# Allegro board BeagleBoard-xM.brd (continued)
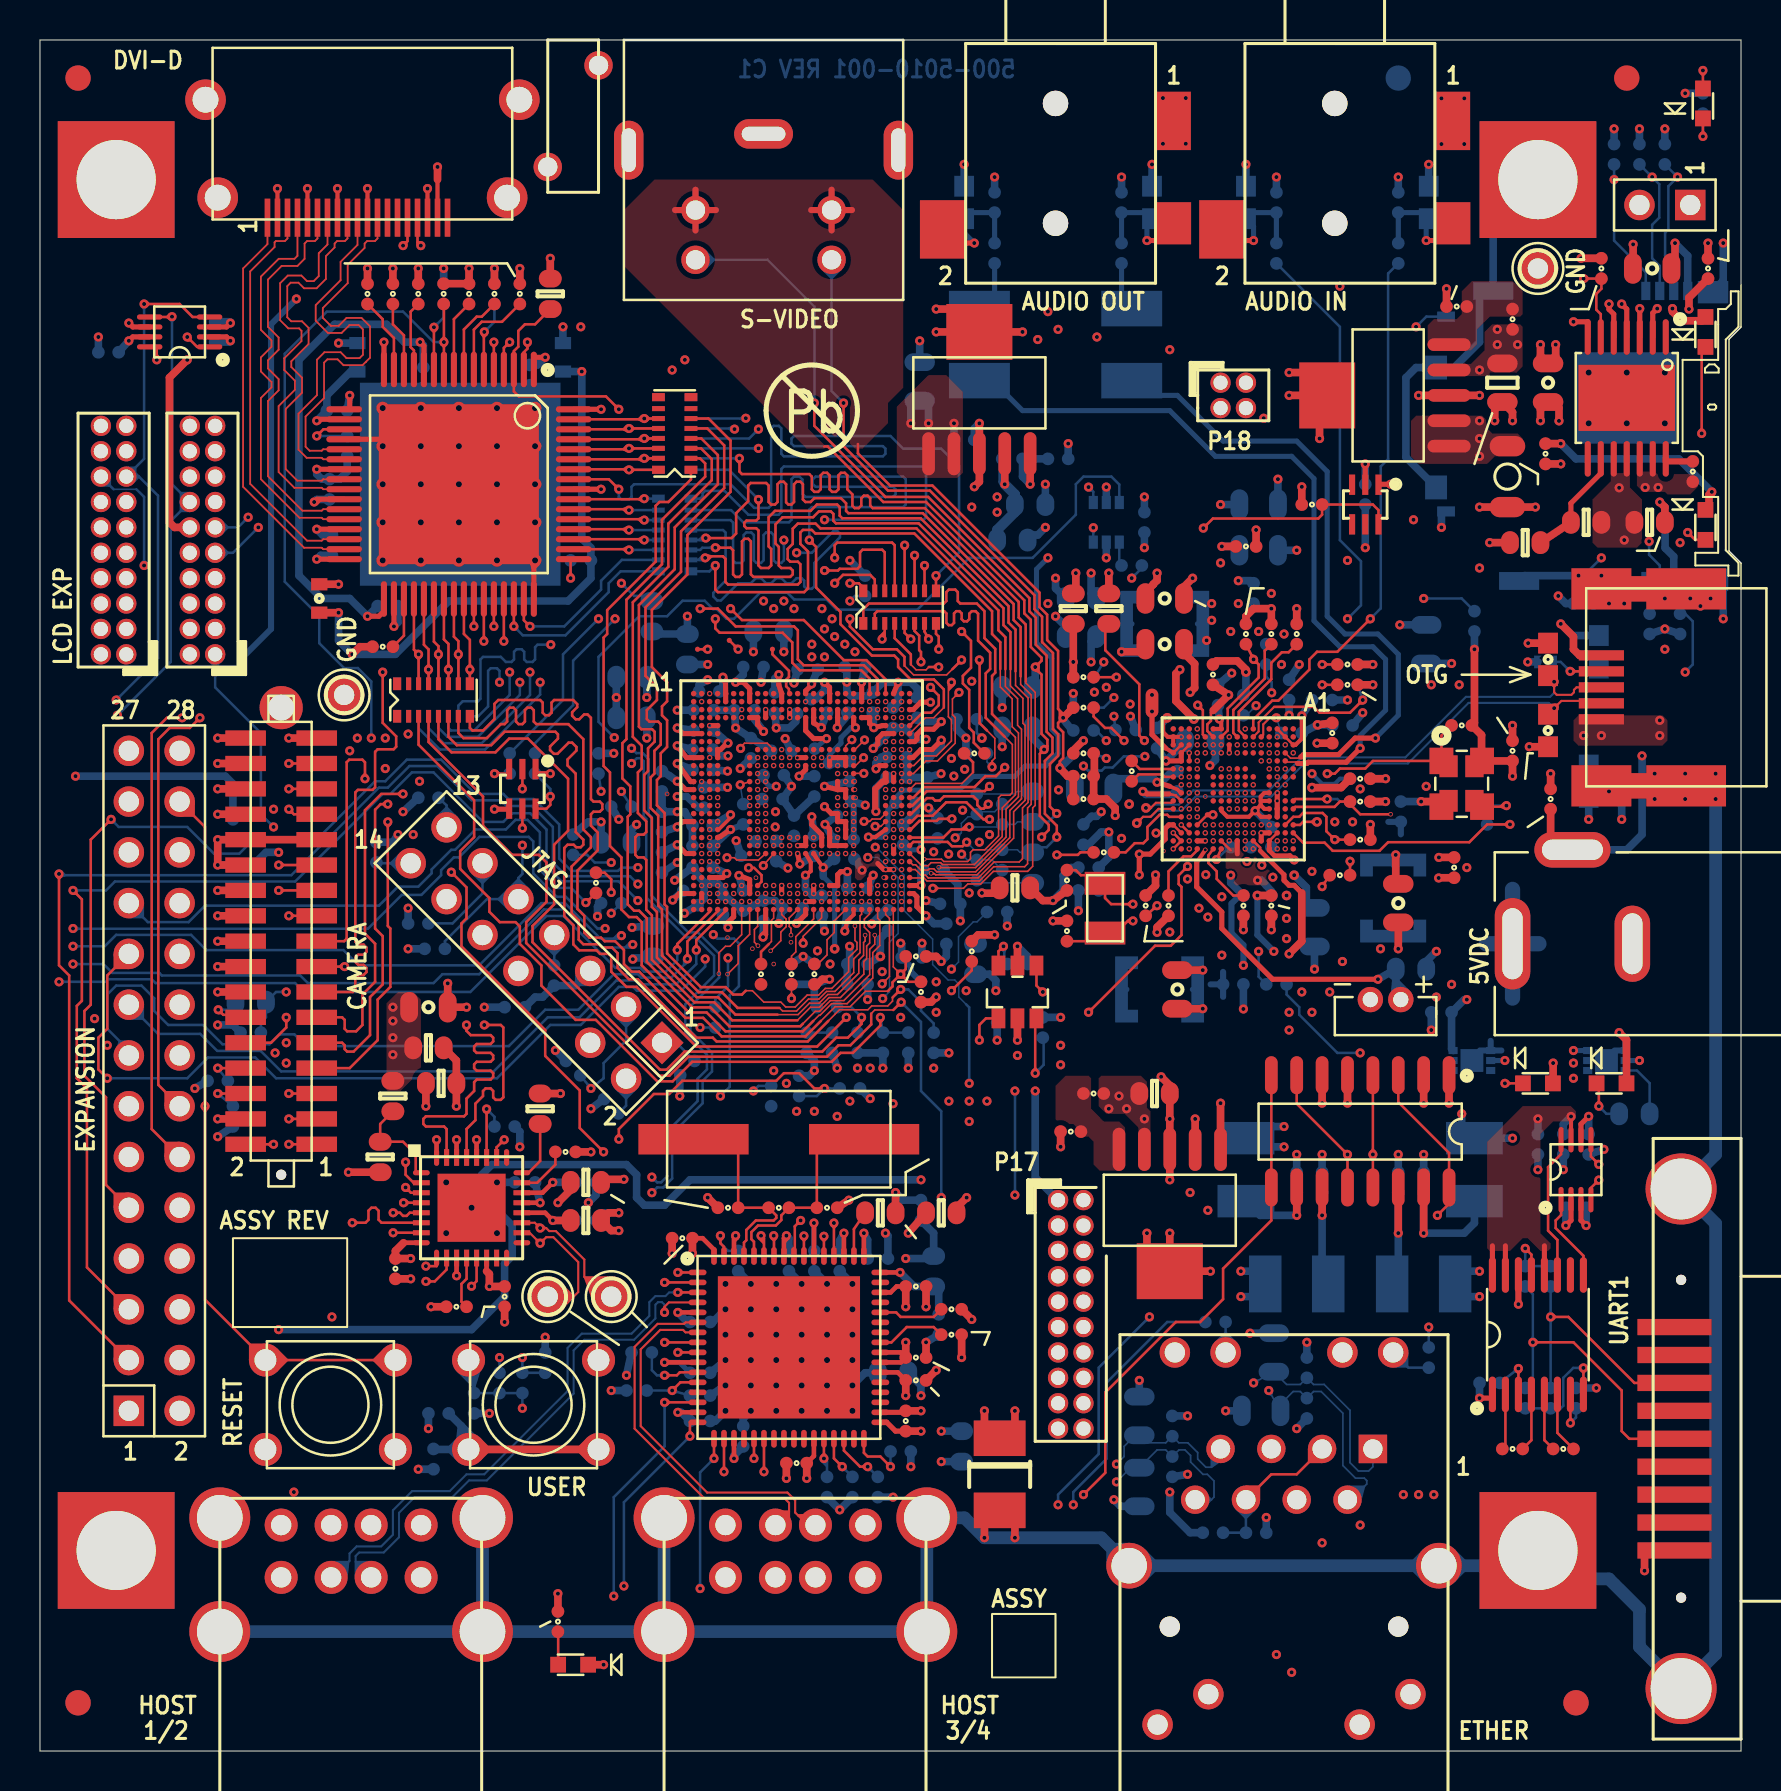
[diagram p0: board, top side]
## Routing (per net, layer and track width the routed paths; a pad name or vN(x,y) marks a point on that pad's centre or on a via; arc(x,y) is an arc through that point) (continued)
NSPDR: length 25
  LYR3-SIG w0.127: v1(61.85,4.83) 61.85,13.84 62.61,14.61 62.61,15.62 62.23,16 62.23,18.8 61.09,19.94 P15.11
  LYR4-SIG w0.127: P15.17 62.51,4.83 v1(61.85,4.83)
  BOTTOM w0.127: R50.2 P15.11
NUSB_PWR: length 125
  TOP w0.254: v1(78.49,72.39) 78.49,72.12 78.72,71.88 U2.5
  TOP w0.381: P2.3 75.56,45.09 R11.2 ; v1(7.37,69.6) 6.48,68.71 6.48,61.47 6.73,61.21 7.49,61.21
  LYR3-SIG w0.381: v1(78.49,72.39) 78.49,72.01 78.87,71.63 79.88,71.63 82.36,69.15 82.36,61.79 81.28,60.71 81.28,59.94 80.64,59.31 80.64,56.64 80.14,56.13 v1(80.14,49.78)
  LYR4-SIG w0.381: v1(78.49,72.39) 78.49,70.28 78.08,69.88 77.19,69.88 75.67,68.35 72.25,68.35 72.24,68.36 62.31,68.36 61.33,69.34 48.9,69.34 46.7,71.54 27.9,71.54 26.8,72.64 14.35,72.64 11.3,69.6 v1(7.37,69.6)
  BOTTOM w0.381: P2.3 79.38,45.09 80.14,45.85 v1(80.14,49.78)
NUSBHOST_PWR_EN: length 21.9
  TOP w0.127: 61.03,45.04 61.03,45.19 U7.F15
  TOP w0.229: 62.23,43.84 61.03,45.04
  TOP w0.254: 62.23,43.84 62.23,43.56 62.48,43.31 62.74,43.31 63.12,42.93
  TOP w0.381: v1(62.48,39.88) 63.12,40.51 63.12,42.93
  LYR4-SIG w0.381: v1(71.37,37.59) 71.37,39.5 69.85,41.02 63.63,41.02 v1(62.48,39.88)
  BOTTOM w0.381: v1(71.37,37.59) 71.25,37.59 R130.2 70.61,35.12 U32.6
OSC_EN: length 10.8
  TOP w0.127: v1(64.39,48.9) 64.77,48.9 65.02,49.15 66.29,49.15 66.67,49.53 Y1.1 70.1,50.8 R55.1
  LYR3-SIG w0.102: 62.4,49.42 62.17,49.42 v2(61.89,49.13)
  LYR3-SIG w0.127: 62.4,49.42 63.87,49.42 v1(64.39,48.9)
PMU_STAT: length 14.4
  TOP w0.127: v1(73.28,33.4) D12.1
  LYR4-SIG w0.127: v1(73.28,33.4) 72.39,34.29 66.67,34.29 v1(66.04,34.92)
  BOTTOM w0.127: R64.1 62.36,37.85 62.99,37.21 62.99,36.83 64.9,34.92 v1(66.04,34.92)
POP_INT0_FT: length 11.5
  LYR3-SIG w0.076: 36.14,36.68 36.14,38.2 35.94,38.4 35.94,39.75 36.14,39.95 36.14,40.17 36.54,40.56 36.54,40.87 36.12,41.29 36.12,41.73 36.7,42.32 v2(36.7,42.5)
  LYR3-SIG w0.127: v1(35.69,33.02) 35.69,33.36 35.52,33.53 35.52,34.65 36.14,35.27 36.14,36.68
  BOTTOM w0.127: v1(35.69,33.02) 35.94,33.27 R46.1
POP_INT1_FT: length 3
  TOP w0.076: U4.AH11 36.7,41.67 36.59,41.55 36.59,40.5 36.46,40.38
  TOP w0.127: R45.1 36.07,39.98 36.46,40.38
POP_TEMP: length 11.4
  TOP w0.076: v1(37.59,37.64) R44.2
  LYR2-GND w0.127: v3(42.3,42.5) 42.3,42.05 42.37,41.99 42.37,40.06 42.47,39.95 42.47,39.33 v1(42.13,38.99)
  LYR4-SIG w0.076: v1(42.13,38.99) 42.61,38.51 42.61,37.53 42.3,37.22 41.14,37.22 40.72,37.64 v1(37.59,37.64)
POP_TQ_TEMP_S: length 3.2
  TOP w0.076: R44.1 37.59,39.76 37.81,39.98 37.81,40.74 38.7,41.63 U4.AH16
PWR_CNTRL: length 41.6
  TOP w0.127: U7.A11 62.79,47.23 64.76,47.23 65.02,47.5 R59.2 65.53,47.37 66.04,46.86 v2(67.56,46.86)
  LYR3-SIG w0.127: P17.18 52.96,17.4 54.61,19.05 54.61,25.91 58.55,29.84 58.55,31.12 64.94,37.5 64.94,38.14 66.04,39.24 66.04,40.01 67.4,41.36 67.4,45 67.56,45.17 v2(67.56,46.86)
PWRLED_R: length 2
  TOP w0.127: D5.1 v1(83.19,80.77)
  BOTTOM w0.127: R12.2 v1(83.19,80.77)
REGEN: length 78
  TOP w0.076: 45.64,54.13 45.35,53.84 43.7,53.84 43.24,54.29
  TOP w0.127: 43.24,54.29 43.24,54.74 42.86,55.12 41.66,55.12 40.51,56.26 v1(40.51,56.64) ; 45.64,54.13 v1(46.1,54.58) ; v1(64.39,47.62) 62.78,47.62 U7.A10
  LYR3-SIG w0.076: 57.19,51.04 57.05,51.18 57.05,51.99 56.52,52.53 ; 60.45,48.39 61.27,48.39 61.65,48 63.19,48 63.56,47.62 v1(64.39,47.62)
  LYR3-SIG w0.127: 57.19,51.04 57.86,50.37 57.86,49.38 58.45,48.79 60.05,48.79 60.45,48.39 ; v1(40.51,56.64) 40.22,56.64 39.2,57.66 38.8,57.66 38.46,58 35.78,58 35.36,57.58 32.56,57.58 29.65,54.67 26.54,54.67 26.29,54.42 23.3,54.42 21.81,52.92 17.53,52.92 16.01,54.44 15.45,54.44 15.18,54.71 11.6,54.71 9.91,53.02 7.11,53.02 5.51,51.42 5.51,49.58 4.45,48.51 P9.25 ; 56.52,52.53 56.52,53.16 56.01,53.67 54.43,53.67 53.98,53.21 v1(53.34,53.21)
  LYR4-SIG w0.127: v1(46.1,54.58) 46.58,54.1 47.24,54.1 47.79,54.65 50.89,54.65 51.49,54.05 51.99,54.05 52.3,53.75 52.81,53.75 v1(53.34,53.21)
  BOTTOM w0.127: R1.2 65.02,47.5 64.9,47.62 v1(64.39,47.62)
RS232_RX1: length 5.9
  TOP w0.127: U9.8 v1(77.21,19.17)
  BOTTOM w0.127: v1(77.21,19.17) 76.7,19.17 76.2,18.67 76.2,17.27 76.07,17.14 R80.1 R82.1
RS232_TX1: length 3.6
  TOP w0.127: v1(74.3,25.15) 74.6,24.84 U9.13
  BOTTOM w0.127: R78.1 R79.1 v1(74.3,25.15)
RXN: length 32.6
  TOP w0.127: U15.53 v1(39.21,25.75)
  LYR3-SIG w0.086: v1(53.85,13.46) 53.59,13.72 49.02,13.72 45.47,17.27 45.47,19.13 44.74,19.86 44.74,22.57 44.32,22.99 44.32,24.26 43.43,25.15 39.9,25.15 39.58,25.47 39.3,25.75 v1(39.21,25.75)
  BOTTOM w0.086: P15.8 58.6,12.57 58.72,12.7 58.72,13.51 58.39,13.84 58.17,13.84 57.56,14.46 57.56,14.78 57.28,15.06 56.97,15.06 C201.1 56.31,15.06 55.88,15.06 R114.1 54.56,14.17 v1(53.85,13.46)
RXP: length 32.6
  TOP w0.127: U15.52 v1(39.71,26.42)
  LYR3-SIG w0.086: v1(39.71,26.42) 39.71,25.84 40.05,25.51 43.57,25.51 44.68,24.4 44.68,23.13 45.1,22.72 45.1,20 45.82,19.28 45.82,17.42 49.17,14.07 53.57,14.07 v1(53.85,14.35)
  BOTTOM w0.086: 59.05,15.11 59.05,14.66 58.6,14.2 58.32,14.2 57.91,14.61 57.91,14.93 57.42,15.42 56.97,15.42 C200.1 56.31,15.42 55.37,15.42 R110.1 54.79,15.8 54.23,15.24 54.23,14.73 v1(53.85,14.35)
SDC_CLK: length 2.7
  TOP w0.127: TP3.1 36.64,54.86 37.47,54.04 37.47,53.73 37.33,53.59 37.33,53.27 37.47,53.13 37.47,52.97 U4.A13
SDC_NCS0: length 8.6
  TOP w0.076: v1(35.05,50.16) 35.05,50.16 35.05,50.23 35.24,50.42 36.38,50.42 U4.H11
  TOP w0.127: TP5.1 v1(33.4,55.12)
  LYR2-GND w0.076: v1(35.05,50.16) 35.05,50.86 35.35,51.16 35.35,53.55 34.77,54.13
  LYR2-GND w0.127: v1(33.4,55.12) 34.1,54.42 34.48,54.42 34.77,54.13
SDC_NCS1: length 6.9
  TOP w0.127: TP4.1 v1(34.92,55.12)
  LYR2-GND w0.076: v3(37.1,50.1) 36.58,50.1 35.69,50.99 35.69,54.13
  LYR2-GND w0.127: v1(34.92,55.12) 35.69,54.36 35.69,54.13
SYS_BOOT2: length 40.9
  TOP w0.127: v1(28.96,30.61) 28.96,31.12 30.71,32.87 31.47,32.87 32.13,33.53 36.83,33.53 37.21,33.91 37.97,33.91 38.73,33.15 v1(39.24,33.15)
  LYR3-SIG w0.076: 38.99,36.2 38.99,38.73 38.63,39.09 38.63,39.77 38.54,39.86 38.52,39.93 38.52,40.23 38.61,40.32 38.61,40.68 38.52,40.77 38.52,42.6 37.9,43.22 v2(37.9,43.3)
  LYR3-SIG w0.127: 38.99,36.2 38.99,34.43 39.15,34.26 39.15,33.73 39.24,33.64 v1(39.24,33.15) ; v1(22.99,19.68) 22.68,19.99 22.68,21.72 23.14,22.17 23.14,24.13 24.13,25.12 24.13,27.91 25.17,28.96 25.91,28.96 27.56,30.61 v1(28.96,30.61)
  BOTTOM w0.127: R126.1 v1(39.24,33.15) 38.86,32.77 R140.1 ; R149.1 v1(22.99,19.68)
SYS_NIRQ0: length 38.5
  LYR3-SIG w0.076: v2(42.7,42.9) 42.85,42.75 42.85,41.73 43.75,40.83 43.75,39.92 44.83,38.84 v1(44.83,38.48)
  LYR3-SIG w0.127: v2(60.69,47.53) 60.92,47.53 61.32,47.14 62.46,47.14 63.53,46.08 63.53,45.52 64.62,44.42 64.62,42.34 63.33,41.06 63.33,40.01 62.48,39.15 v1(62.48,36.96)
  LYR4-SIG w0.076: v1(44.83,38.48) 45.21,38.1 45.21,37.59
  LYR4-SIG w0.127: v1(62.48,36.96) 61.59,36.96 60.69,36.06 50.94,36.06 50.16,36.83 45.97,36.83 45.21,37.59
T2_LED_B: length 8
  LYR3-SIG w0.076: 60.01,43.31 60.01,43.95 59.89,44.07 59.89,45.31 60.11,45.53 v2(60.29,45.53)
  LYR3-SIG w0.127: v1(60.96,40.01) 60.71,40.26 60.71,41.21 60.01,41.91 60.01,43.31
  BOTTOM w0.127: v1(60.96,40.01) 60.96,38.73 R64.2
T2_VBUS: length 10.6
  TOP w0.127: v1(55.25,50.55) 54.99,50.8 54.99,53.37 53.29,55.07 53.29,56.21 R57.2
  LYR3-SIG w0.127: v2(57.09,48.33) 57.18,48.42 57.18,49.96 56.59,50.55 v1(55.25,50.55)
T2_VDD1.L: length 3.6
  TOP w0.127: U7.D15 U7.C14
  TOP w0.229: U7.D15 U7.D16 61.49,45.05 61.75,44.79 62.53,44.79
  TOP w0.254: v1(62.74,44.58) 62.53,44.79
  LYR4-SIG w0.254: v1(63.63,44.01) 63.06,44.58 v1(62.74,44.58)
T2_VDD2.L: length 4.2
  TOP w0.127: U7.R14 U7.T13
  TOP w0.254: U7.T13 56.47,46.33 56.29,46.15 56.29,45.62 55.54,44.87 v1(54.99,44.87) v1(54.99,43.83)
T2_VIO.L: length 4
  TOP w0.127: U7.R3 U7.T4
  TOP w0.203: U7.T4 56.3,50.18
  TOP w0.254: 56.3,50.18 55.63,50.85 v1(55.63,52.01)
  TOP w0.635: v1(55.63,52.83) v1(55.63,52.01)
T2_VPRECH: length 9
  TOP w0.127: v1(53.85,53.72) C104.1 ; U7.P5 v3(57.49,49.93)
  LYR2-GND w0.076: v2(57.89,50.73) 57.49,50.33 v3(57.49,49.93)
  LYR3-SIG w0.127: v1(53.85,53.72) 54.11,53.99 56.1,53.99 56.85,53.24 56.85,52.58 57.32,52.11 57.32,51.42 57.56,51.18 57.79,51.18 57.89,51.08 v2(57.89,50.73)
T2_VREF: length 3.2
  TOP w0.127: U7.N16 57.89,45.06 57.58,44.75 57.2,44.75 56.45,44.01 C91.2
T2_XIN: length 9.8
  TOP w0.127: C103.2 52.87,40.51 Y3.1 53.81,40.92 54.42,41.53 v1(54.67,41.53)
  LYR3-SIG w0.127: v1(54.67,41.53) 54.99,41.85 55.18,41.85 55.47,41.55 56.19,41.55 56.57,41.93 56.57,44.47 57.15,45.06 57.42,45.06 v2(57.49,45.13)
T2_XOUT: length 10.5
  TOP w0.127: v1(54.67,42.37) 53.58,42.37 53.28,42.67 Y3.2 52.87,43.81 52.07,43.81 51.82,44.07 C102.2
  LYR3-SIG w0.127: v2(57.49,45.53) 57.28,45.32 57.05,45.32 56.31,44.58 56.31,42.04 56.08,41.81 55.58,41.81 55.29,42.1 54.94,42.1 v1(54.67,42.37)
TCT_RCT: length 7.7
  TOP w0.127: P15.6 61.59,13.84 62.87,13.84 P15.3
  BOTTOM w0.127: R117.2 C198.1 P15.6
TFADJ: length 3
  TOP w0.127: U11.19 14.18,66.12 v1(13.84,65.79)
  BOTTOM w0.127: R87.2 v1(13.84,65.79)
TV_OUT1: length 48.2
  TOP w0.127: v1(46.36,45.47) 46.15,45.26 45.62,45.26 45.4,45.48 43.68,45.48 U4.Y28 ; v1(38.73,67.44) 38.73,66.29 42.29,62.74 44.43,62.74 49.49,57.67 49.49,57.02 49.82,56.7 49.82,55.34 50.36,54.8 50.36,50.99 50.65,50.7 50.65,49.91 50.27,49.53 50.27,46.89 50.86,46.29 v1(50.86,45.72)
  BOTTOM w0.076: 49.83,45.14 L2.2 49.02,44.96 48.9,45.09 R32.1 46.74,45.09 v1(46.36,45.47)
  BOTTOM w0.127: v1(50.86,45.72) 50.36,45.21 49.91,45.21 49.83,45.14 ; P4.3 36.4,74.6 38.73,72.26 v1(38.73,67.44)
TV_OUT1_IND: length 2.8
  BOTTOM w0.076: L2.1 46.99,43.43 C10.2
TV_OUT2: length 41.8
  TOP w0.127: U4.W28 43.5,45.7 45.19,45.7 45.59,46.1 46.36,46.1 v1(46.48,46.23) ; v1(40.2,67.44) 40.2,65.28 42.42,63.06 44.51,63.06 49.75,57.82 49.75,57.12 50.13,56.74 50.13,55.47 50.67,54.93 50.67,51.12 50.93,50.86 50.93,49.78 50.52,49.38 50.52,47.24 v1(50.86,46.9)
  BOTTOM w0.076: 49.83,46.48 L3.2 48.9,46.48 48.77,46.36 R33.1 48.01,46.23 v1(46.48,46.23)
  BOTTOM w0.127: 49.83,46.48 50.44,46.48 v1(50.86,46.9) ; P4.4 39.6,68.03 v1(40.2,67.44)
TV_OUT2_IND: length 2.8
  BOTTOM w0.076: C11.2 48.77,47.88 48.9,48.01 L3.1
TV_VFB1: length 5.7
  LYR2-GND w0.127: v3(43.1,45.3) 43.28,45.48 44.77,45.48 44.98,45.26 45.71,45.26 v1(46.1,44.87)
  BOTTOM w0.076: v1(46.1,44.87) 46.39,44.58 C10.1 47.62,44.58 R32.2
TV_VFB2: length 6
  LYR2-GND w0.127: v3(43.1,45.7) 43.12,45.68 45.68,45.68 45.68,45.68 v1(45.78,45.68)
  BOTTOM w0.076: v1(45.78,45.68) 45.83,45.68 46.09,45.94 46.09,46.41 46.42,46.74 46.74,46.74 C11.1 46.99,46.99 47.75,46.99 R33.2
TV_VREF: length 3.9
  LYR3-SIG w0.203: v2(42.7,45.7) 42.71,45.7 43.14,45.28 43.88,45.28 v1(44.07,45.09)
  BOTTOM w0.254: R34.2 44.32,45.66 44.07,45.4 v1(44.07,45.09) 43.43,45.09 C9.1
TVDD: length 14.3
  TOP w0.254: U11.23 v1(13.84,64.12) ; U11.29 v1(13.84,61.12)
  TOP w0.381: L8.2 v1(14.94,58.37)
  LYR3-SIG w0.381: v1(14.94,58.37) 14.94,60.03 v1(13.84,61.12) 12.95,62.01 12.95,63.23 v1(13.84,64.12)
  BOTTOM w0.381: v1(13.84,64.12) 13.84,63.88 14.1,63.63 C154.1 14.99,63.63 15.37,64.01 R87.1 ; C153.1 14.13,60.83 v1(13.84,61.12)
TXC+: length 20.2
  TOP w0.086: U11.22 14.17,64.62 14.09,64.69 13.34,64.69 12.93,65.11 12.93,66.9 13.86,67.83 13.86,69.6 14.23,69.98 15.04,69.98 15.33,69.68 15.99,69.68 16.15,69.85 16.15,71.12 15.94,71.34 15.48,71.34 15.09,70.94 14.4,70.94 13.79,71.55 13.79,72.33 15.04,73.58 15.04,74.5 15.88,75.34 P12.10
TXC-: length 20.1
  TOP w0.086: P12.12 16.88,75.67 16.76,75.54 16.37,75.54 16.24,75.41 16.24,75.2 15.39,74.35 15.39,73.43 14.15,72.19 14.15,71.7 14.55,71.3 14.94,71.3 15.33,71.69 16.09,71.69 16.51,71.27 16.51,69.7 16.3,69.49 16.13,69.33 15.18,69.33 14.89,69.62 14.38,69.62 14.21,69.46 14.21,67.68 13.28,66.76 13.28,65.25 13.49,65.05 14.09,65.05 14.17,65.12 U11.21
TXD0+: length 20.2
  TOP w0.086: P12.7 14.38,75.37 13.94,74.93 13.94,73.79 13.69,73.53 13.36,73.53 13.08,73.81 12.4,73.81 12.01,73.43 12.01,71.58 12.42,71.17 12.96,71.17 13.08,71.05 13.08,70.54 12.22,69.67 12.22,69.09 12.75,68.55 12.75,68.1 11.94,67.28 11.94,63.98 12.73,63.2 14.09,63.2 14.17,63.12 U11.25
TXD0-: length 20.1
  TOP w0.086: U11.24 14.17,63.62 14.09,63.55 12.87,63.55 12.29,64.13 12.29,67.14 13.11,67.95 13.11,68.7 12.57,69.24 12.57,69.52 13.44,70.39 13.44,71.2 13.11,71.53 12.57,71.53 12.37,71.72 12.37,73.28 12.54,73.46 12.93,73.46 13.21,73.18 13.84,73.18 14.3,73.64 14.3,74.78 14.74,75.22 14.74,75.41 14.86,75.54 15.26,75.54 15.38,75.67 P12.9
TXD1+: length 20.2
  TOP w0.086: U11.28 14.17,61.62 14.09,61.7 12.98,61.7 11.05,63.63 11.05,67.69 11.58,68.22 11.58,68.48 11.05,69.02 11.05,69.72 11.58,70.25 11.58,70.57 11.05,71.1 11.05,73.76 11.94,74.65 12.73,74.65 12.88,74.8 P12.4
TXD1-: length 20.1
  TOP w0.086: U11.27 14.17,62.12 14.09,62.05 13.13,62.05 11.4,63.77 11.4,67.54 11.94,68.07 11.94,68.63 11.4,69.16 11.4,69.57 11.94,70.1 11.94,70.71 11.4,71.25 11.4,73.61 12.09,74.3 12.88,74.3 13.24,74.65 13.24,75.41 13.36,75.54 13.75,75.54 13.88,75.67 P12.6
TXD2+: length 20.3
  TOP w0.086: P12.1 11.38,75.39 10.16,74.17 10.16,63.25 13.21,60.2 14.09,60.2 14.17,60.12 U11.31
TXD2-: length 20.3
  TOP w0.086: P12.3 12.38,75.67 12.25,75.54 11.8,75.54 11.73,75.48 11.73,75.24 10.52,74.02 10.52,63.39 13.36,60.55 14.09,60.55 14.17,60.62 U11.30
TXN: length 46.9
  TOP w0.127: U15.56 37.76,24.81 37.76,26.25 v1(38.05,26.54)
  LYR3-SIG w0.086: v1(61.47,18.03) 61.19,18.03 60.68,17.53 56,17.53 53.09,14.61 50.16,14.61 49.2,15.57 49.2,17.2 45.78,20.62 45.78,24.12 43.6,26.31 40.5,26.31 39.6,27.2 38.12,27.2 37.87,26.95 37.87,26.72 v1(38.05,26.54)
  BOTTOM w0.086: v1(61.47,18.03) R116.1 62.23,17.2 62.23,17.53 62.69,17.98 63.04,17.98 C203.1 63.7,17.98 64.09,17.98 65.18,16.9 65.18,14.28 65.8,13.65 66.24,13.65 66.37,13.53 66.37,13.36 65.58,12.57 P15.2
TXP: length 46.8
  TOP w0.127: U15.55 v1(38.21,25.77)
  LYR3-SIG w0.086: v1(60.71,18.41) 60.71,18.06 60.53,17.88 55.85,17.88 52.94,14.97 50.3,14.97 49.56,15.72 49.56,17.35 46.14,20.76 46.14,24.27 43.75,26.66 40.65,26.66 39.75,27.56 37.97,27.56 37.52,27.1 37.52,26.49 38.21,25.79 v1(38.21,25.77)
  BOTTOM w0.086: v1(60.71,18.41) R115.1 62.36,18.34 63.04,18.34 C202.1 63.7,18.34 64.24,18.34 65.53,17.04 65.53,14.43 65.95,14.01 66.46,14.01 66.67,14.22 P15.1
UART3_RX: length 94.5
  TOP w0.076: v1(40.61,50.59) 40.3,50.28 U4.H20
  TOP w0.127: v1(77.98,28.57) 77.58,28.17 U10.4
  LYR4-SIG w0.076: 31.37,49.97 31.39,49.97 31.44,49.92 32.44,49.92 32.49,49.97 32.51,49.97
  LYR4-SIG w0.127: 31.37,49.97 29.78,49.97 v1(29.59,50.16) ; v1(40.61,50.59) 40.81,50.39 40.81,50.23 40.63,50.05 39.36,50.05 37.59,51.82 34.16,51.82 32.64,50.29 32.64,50.1 32.51,49.97 ; v1(77.98,28.57) 77.71,28.83 77.36,28.83 75.46,30.73 74.46,30.73 73.57,31.62 72.39,31.62 70.64,33.38 57.25,33.38 56.46,34.16 54.08,34.16 51.1,31.18 48.56,31.18 47.22,29.84 44.52,29.84 43.16,28.49 31.53,28.49 31.24,28.19 30.87,28.19 v1(30.61,27.93)
  BOTTOM w0.127: v1(30.61,27.93) 30.87,28.19 31.18,28.19 31.62,28.64 31.62,30.88 33.15,32.41 33.15,33.52 33.62,33.99 33.62,34.94 32.53,36.03 32.53,37.25 33.97,38.69 33.97,39.89 32.91,40.96 32.43,40.96 30.58,42.8 30.58,46.74 30.45,46.87 30.45,49.63 30.15,49.92 29.83,49.92 v1(29.59,50.16)
UART3_RX_3V: length 4.5
  TOP w0.127: U10.1 76.09,26.81 75.82,26.54 75.82,26.16 77.21,24.78 U9.9
UART3_TX: length 94.5
  TOP w0.076: v1(41.24,50.58) 40.76,50.1 U4.H21
  TOP w0.127: v1(77.98,29.35) 77.58,29.74 U10.5
  LYR4-SIG w0.076: 31.37,49.72 31.39,49.72 31.44,49.77 32.44,49.77 32.49,49.72 32.51,49.72
  LYR4-SIG w0.127: v1(29.59,49.4) 29.91,49.72 31.37,49.72 ; v1(77.98,29.35) 77.71,29.08 77.47,29.08 75.56,30.99 74.57,30.99 73.68,31.88 72.5,31.88 70.74,33.63 57.35,33.63 56.57,34.42 53.98,34.42 50.99,31.43 48.45,31.43 47.12,30.1 44.41,30.1 43.05,28.74 31.43,28.74 31.14,28.45 30.87,28.45 v1(30.61,28.71) ; 32.51,49.72 32.62,49.72 32.69,49.79 32.89,50 32.89,50.19 34.28,51.57 37.47,51.57 39.26,49.79 40.74,49.79 41.07,50.12 41.07,50.4 v1(41.24,50.58)
  BOTTOM w0.127: v1(29.59,49.4) 29.86,49.67 30.05,49.67 30.19,49.52 30.19,46.77 30.33,46.63 30.33,42.7 32.32,40.7 32.8,40.7 33.72,39.79 33.72,38.8 32.28,37.36 32.28,35.92 33.36,34.84 33.36,34.1 32.89,33.63 32.89,32.51 31.37,30.99 31.37,28.74 31.07,28.45 30.87,28.45 v1(30.61,28.71)
UART3_TX_3V: length 7.2
  TOP w0.127: U9.11 75.91,25.57 75.44,26.03 75.44,29.21 76.09,29.86 U10.8
USB0HS_CLK: length 30.2
  TOP w0.127: U4.T28 43.6,46.9 44.37,47.67 44.65,47.67 44.77,47.55 45.01,47.55 45.22,47.76 46.69,47.76 46.89,47.56 46.89,47.32 47.07,47.14 47.21,47.14 v1(47.43,47.37)
  LYR3-SIG w0.076: v2(58.69,45.53) 58.69,45.18 57.96,44.45 57.96,43.94 58.06,43.84 v1(58.32,43.84)
  LYR4-SIG w0.076: 54.61,44.5 55.25,44.5 55.5,44.75
  LYR4-SIG w0.127: 54.61,44.5 54.36,44.5 54.2,44.35 54.2,43.97 54.13,43.89 53.87,43.89 53.77,43.99 53.77,44.63 53.64,44.75 53.49,44.75 53.37,44.63 53.37,44.37 53.24,44.25 53.09,44.25 52.96,44.37 52.96,44.63 52.83,44.75 52.68,44.75 52.55,44.63 52.55,44.37 52.43,44.25 52.25,44.25 51.95,44.54 51.95,44.79 52.15,44.98 52.15,45.62 51.61,46.16 51.61,46.56 51.53,46.64 51.2,46.64 51.04,46.48 49.71,46.48 49.58,46.61 49.58,46.94 49.73,47.09 49.73,49.01 49.83,49.11 49.99,49.26 49.99,49.64 49.86,49.77 49.48,49.77 49.3,49.59 49.3,47.29 49.17,47.17 48.21,47.17 48.01,47.37 v1(47.43,47.37) ; 55.5,44.75 55.94,44.75 56.55,44.14 56.55,43.82 57.14,43.23 58.19,43.23 58.32,43.36 v1(58.32,43.84)
USB0HS_DAT0: length 30.3
  LYR3-SIG w0.076: v1(46.15,47.07) 45.76,47.46 45.15,47.46 45.02,47.58 44.03,47.58 43.56,47.12 43.32,47.12 v2(43.1,46.9) ; 58.42,43.42 58.69,43.69 58.69,43.99 58.47,44.21 58.47,44.74 58.95,45.22 58.95,45.79 v2(59.09,45.93)
  LYR3-SIG w0.127: 58.42,43.42 58.08,43.08 57.34,43.08 57.23,42.96 57.23,42.72 57.4,42.55 57.4,42.28 57.23,42.1 57.23,41.78 57.42,41.59 57.42,39.36 57.53,39.24 57.7,39.24 57.81,39.36 57.81,41.66 57.98,41.82 v1(57.98,42.16)
  LYR4-SIG w0.076: 47.24,46.23 47.84,46.23
  LYR4-SIG w0.127: v1(46.15,47.07) 46.74,47.07 46.86,46.94 46.86,46.36 46.99,46.23 47.24,46.23 ; v1(57.98,42.16) 57.72,41.91 57.53,41.91 57.09,42.35 56.77,42.35 56.08,43.04 54.19,43.04 53.82,42.67 53.54,42.67 52.86,43.36 51.79,43.36 51.23,43.92 49.68,43.92 49.15,44.45 49.15,44.58 48.77,44.96 48.39,44.96 48.29,45.06 48.29,45.78 47.84,46.23
USB0HS_DAT1: length 30.2
  TOP w0.127: v1(47.5,46.61) 47.19,46.61 46.34,47.46 45.33,47.46 44.65,46.79 43.89,46.79 43.6,46.5 U4.U28
  LYR3-SIG w0.076: v2(59.09,46.33) 59.37,46.61 59.69,46.61 59.88,46.42 59.88,45.73 59.42,45.27 59.42,44.98 59.52,44.88 59.52,44.32 59.16,43.96 59.16,43.62 59.48,43.31
  LYR3-SIG w0.127: v1(59.12,42.74) 59.55,42.74 59.66,42.85 59.66,43.12 59.48,43.31
  LYR4-SIG w0.076: v1(47.5,46.61) 47.94,46.61
  LYR4-SIG w0.127: v1(59.12,42.74) 59.39,42.47 59.39,41.78 59.26,41.66 58.95,41.66 58.84,41.77 58.84,42.2 58.42,42.62 56.86,42.62 56.19,43.3 54.07,43.3 53.87,43.1 53.52,43.1 52.98,43.64 51.94,43.64 51.33,44.25 51.33,45.14 51.21,45.26 50.57,45.26 50.44,45.14 50.44,44.37 50.32,44.25 49.99,44.25 49.8,44.44 49.8,44.6 50.07,44.87 50.07,45.03 49.96,45.14 49.8,45.14 49.53,44.87 49.37,44.87 49.26,44.98 49.26,45.13 49.6,45.47 49.6,45.63 49.48,45.74 49.33,45.74 48.99,45.4 48.83,45.4 48.65,45.59 48.65,46.22 48.49,46.38 48.17,46.38 47.94,46.61
USB0HS_DAT2: length 30.4
  LYR2-GND w0.076: v1(47.5,45.85) 46.74,46.61 46.33,46.61 45.99,46.27 43.33,46.27 v3(43.1,46.5)
  LYR3-SIG w0.076: 58.59,43.22 58.59,43.26 58.84,43.51 58.84,44.07 59.22,44.45 59.22,44.76 59.12,44.86 59.12,45.56 v2(59.49,45.93)
  LYR3-SIG w0.127: 58.59,43.22 58.36,42.99 58.36,42.5 58.89,41.97 59.12,41.97 59.25,41.85 59.25,40.59 59.12,40.46 58.74,40.46 58.61,40.34 58.61,39.62 58.48,39.5 58.29,39.5 58.17,39.62 58.17,40.92 58.29,41.05 58.6,41.05 58.72,41.17 58.72,41.41 v1(58.42,41.72)
  LYR4-SIG w0.127: v1(47.5,45.85) 47.78,45.85 47.93,45.69 47.93,45.44 47.8,45.31 47.8,44.73 47.9,44.63 48.54,44.63 49.8,43.37 49.98,43.37 50.22,43.61 51.1,43.61 51.64,43.08 52.7,43.08 53.04,42.75 53.04,42.42 53.11,42.34 54.05,42.34 54.18,42.47 54.18,42.66 54.31,42.79 55.98,42.79 56.73,42.04 56.96,42.04 57.52,41.48 58.18,41.48 v1(58.42,41.72)
USB0HS_DAT3: length 30.4
  LYR3-SIG w0.076: 58.99,43.31 58.99,44.01 59.37,44.39 59.37,44.82 59.27,44.92 59.27,45.34 59.72,45.78 59.72,46.1 v2(59.49,46.33) ; v2(42.7,46.5) 43.48,45.72 44.51,45.72 45.07,45.16 45.07,44.74 45.09,44.72 45.09,44.72 46.48,43.32 v1(46.48,42.93)
  LYR3-SIG w0.127: 58.99,43.31 58.99,43.24 58.67,42.93 58.67,42.55 58.93,42.29 59.44,42.29 59.63,42.1 59.63,40.86 59.82,40.67 60.1,40.67 60.22,40.54 60.22,40.34 60.1,40.21 59.79,40.21 59.66,40.08 59.66,39.43 59.54,39.31 59.25,39.31 59.12,39.43 v1(59.12,39.81)
  LYR4-SIG w0.127: v1(59.12,39.81) 58.75,39.81 58.6,39.97 57.56,39.97 57.06,39.47 54.53,39.47 53.19,40.82 49.71,40.82 49.38,41.15 49.38,41.68 48.59,42.47 46.94,42.47 v1(46.48,42.93)
USB0HS_DAT4: length 30.3
  TOP w0.076: v1(41.78,46.26) 42.06,46.26 U4.U25
  LYR2-GND w0.076: v3(60.29,45.93) 60.06,45.71 60.06,44.82 v1(60.38,44.5)
  LYR4-SIG w0.076: v1(41.78,46.26) 42.24,46.26 42.62,46.63 42.62,47.13 43.14,47.65 45.26,47.65 45.47,47.45 45.75,47.45 45.95,47.65 46.76,47.65 46.86,47.55 46.86,47.35 47.21,47 47.99,47 48.26,46.74
  LYR4-SIG w0.127: 48.26,46.74 49.02,46.74 49.15,46.61 49.15,46.28 49.29,46.14 51.16,46.14 51.62,45.68 51.62,44.39 52.1,43.92 53.11,43.92 53.47,43.56 54.41,43.56 54.53,43.69 54.53,43.94 54.84,44.25 56.02,44.25 56.26,44.01 56.26,43.64 57,42.9 58.6,42.9 58.72,43.03 58.72,43.72 58.84,43.84 59.01,43.84 59.13,43.72 59.13,43.48 59.26,43.36 59.69,43.36 59.82,43.23 59.82,42.37 59.94,42.24 60.15,42.24 60.27,42.37 60.27,43.51 60.1,43.69 60.1,44.22 v1(60.38,44.5)
USB0HS_DAT5: length 30.4
  TOP w0.127: v1(45.62,46.63) 44.96,46.63 44.86,46.53 43.99,46.53 43.56,46.1 43.5,46.1 U4.V28
  LYR3-SIG w0.076: 62.69,43.31 62.28,43.71 62.28,43.98 61.98,44.28 61.98,44.93 61.47,45.44 61.18,45.44 60.29,46.33 v2(60.29,46.33)
  LYR3-SIG w0.127: v1(62.36,41.66) 62.87,42.16 62.87,43.13 62.69,43.31
  LYR4-SIG w0.076: 45.41,45.97 45.41,45.35 45.09,45.02 45.09,44.6 45.25,44.44
  LYR4-SIG w0.127: 45.25,44.44 46.02,43.66 48.22,43.66 49.94,41.95 50.85,41.95 51.42,41.38 53.46,41.38 54.64,40.2 56.9,40.2 57.32,40.61 60.45,40.61 61.49,41.66 v1(62.36,41.66) ; v1(45.62,46.63) 45.62,46.18 45.41,45.97
USB0HS_DAT6: length 30.3
  LYR2-GND w0.076: v1(46.99,45.47) 46.61,45.85 46.23,45.85 45.96,46.11 43.12,46.11 v3(43.1,46.1) ; v3(60.69,45.93) 60.83,45.79 60.83,45.4 61.53,44.7 61.53,44.37 61.82,44.08 62.04,43.87 62.04,43.31
  LYR2-GND w0.127: v4(62.36,42.8) 62.04,43.12 62.04,43.31
  LYR4-SIG w0.127: v4(62.36,42.8) 63.25,42.8 63.37,42.67 63.37,42.09 63.25,41.96 62.94,41.96 62.64,42.27 62.1,42.27 61.85,42.01 61.34,42.01 60.9,41.57 60.06,41.57 59.41,40.92 57.19,40.92 56.71,41.4 55.7,41.4 55.47,41.17 55.25,41.17 55.09,41.33 55.09,41.82 54.97,41.95 54.42,41.95 54.25,41.78 53.98,41.78 53.73,42.04 52.82,42.04 52.69,42.16 52.69,42.55 52.45,42.79 51.49,42.79 50.98,43.29 50.32,43.29 50.03,43 49.73,43 48.44,44.3 47.6,44.3 47.47,44.42 47.47,45.34 47.35,45.47 v1(46.99,45.47)
USB0HS_DAT7: length 30.4
  LYR3-SIG w0.076: v2(42.7,46.1) 43.27,45.53 44.16,45.53 v1(44.7,44.98)
  LYR3-SIG w0.127: v1(62.36,40.64) 63.21,41.49 63.21,44.68 61.86,46.02 61.42,46.02 61.11,46.33 v2(60.69,46.33)
  LYR4-SIG w0.127: v1(44.7,44.98) 44.7,44.58 45.87,43.41 48.06,43.41 50.29,41.18 50.37,41.1 53.34,41.1 54.61,39.83 56.97,39.83 57.47,40.32 60.58,40.32 60.9,40.64 v1(62.36,40.64)
USB0HS_DIR: length 30.4
  TOP w0.127: v1(47.5,48.26) 47.26,48.02 44.36,48.02 43.64,47.3 U4.R28
  LYR3-SIG w0.076: v2(58.69,46.33) 58.66,46.33 58.4,46.59 58.12,46.59
  LYR3-SIG w0.127: v1(54.1,45.66) 54.1,45.16 54.23,45.03 54.48,45.03 54.76,45.31 56.16,45.31 56.79,45.95 57.07,45.95 57.2,46.08 57.2,46.28 57.3,46.38 57.91,46.38 58.12,46.59
  LYR4-SIG w0.076: v1(47.5,48.26) 47.73,48.26 48.11,47.88 48.51,47.88 48.64,48.01 48.64,49.97
  LYR4-SIG w0.127: 48.64,49.97 49.15,50.48 49.15,51.38 49.61,51.84 50.29,51.84 50.95,51.18 52.6,51.18 52.83,50.95 52.83,48.9 52.64,48.7 50.55,48.7 50.42,48.58 50.42,47.83 50.6,47.65 52.2,47.65 52.27,47.57 52.27,46.69 52.93,46.02 52.93,45.77 53.29,45.42 53.86,45.42 v1(54.1,45.66)
USB0HS_NXT: length 30.3
  LYR3-SIG w0.076: v1(45.45,44.87) 45.45,45.15 44.69,45.91 43.69,45.91 v2(42.7,46.9)
  LYR3-SIG w0.127: v1(56.52,40.97) 56.52,40.21 56.39,40.08 55.69,40.08 55.56,39.95 55.56,39.62 55.69,39.5 56.9,39.5 57.02,39.62 57.02,41.4 56.9,41.53 56.9,44.39 57.28,44.77 57.53,44.77 57.85,45.09 57.85,45.89 v2(58.29,46.33)
  LYR4-SIG w0.127: v1(56.52,40.97) 56.07,40.53 54.77,40.53 53.59,41.71 52.55,41.71 52.36,41.9 52.36,42.32 52.22,42.46 51.35,42.46 50.85,42.96 50.46,42.96 50.16,42.67 49.63,42.67 48.36,43.94 47.24,43.94 47.12,44.07 47.12,44.86 46.99,44.98 46.79,44.98 46.66,44.86 46.66,44.07 46.53,43.94 46.38,43.94 v1(45.45,44.87)
USB0HS_STP: length 30.5
  TOP w0.076: U4.T25 42.03,46.62 41.62,46.62 41.51,46.51 v1(41.22,46.51)
  LYR3-SIG w0.076: v1(57.4,43.62) 57.79,44.01 57.79,44.51 58.42,45.15 58.42,45.66 v2(58.69,45.93)
  LYR4-SIG w0.076: 48.79,47.65 48.03,47.65 47.79,47.89 43.07,47.89 42.39,47.22 42.39,46.79 42.23,46.62 41.62,46.62 41.51,46.51 v1(41.22,46.51)
  LYR4-SIG w0.127: v1(57.4,43.62) 56.9,44.13 56.9,44.26 55.89,45.26 54.47,45.26 54.29,45.09 53.15,45.09 52.6,45.64 52.6,45.89 51.94,46.55 51.94,46.89 51.51,47.32 50.31,47.32 50.06,47.56 50.06,48.87 50.9,49.71 50.9,50.7 50.75,50.85 49.66,50.85 49.5,50.7 49.5,50.29 48.97,49.76 48.97,47.83 48.79,47.65
